# Altium PCB Main Board.PcbDoc (part 2 of 2)
Units mm, origin at the board's own origin, x right, y up, seen from the top; angles counter-clockwise.
Board outline 100 x 92.5 mm, 4 copper layers (Top Layer, L1, L2, Bottom Layer), stack 1.743 mm thick; 171 components, 145 nets, 710 pads, 579 vias.
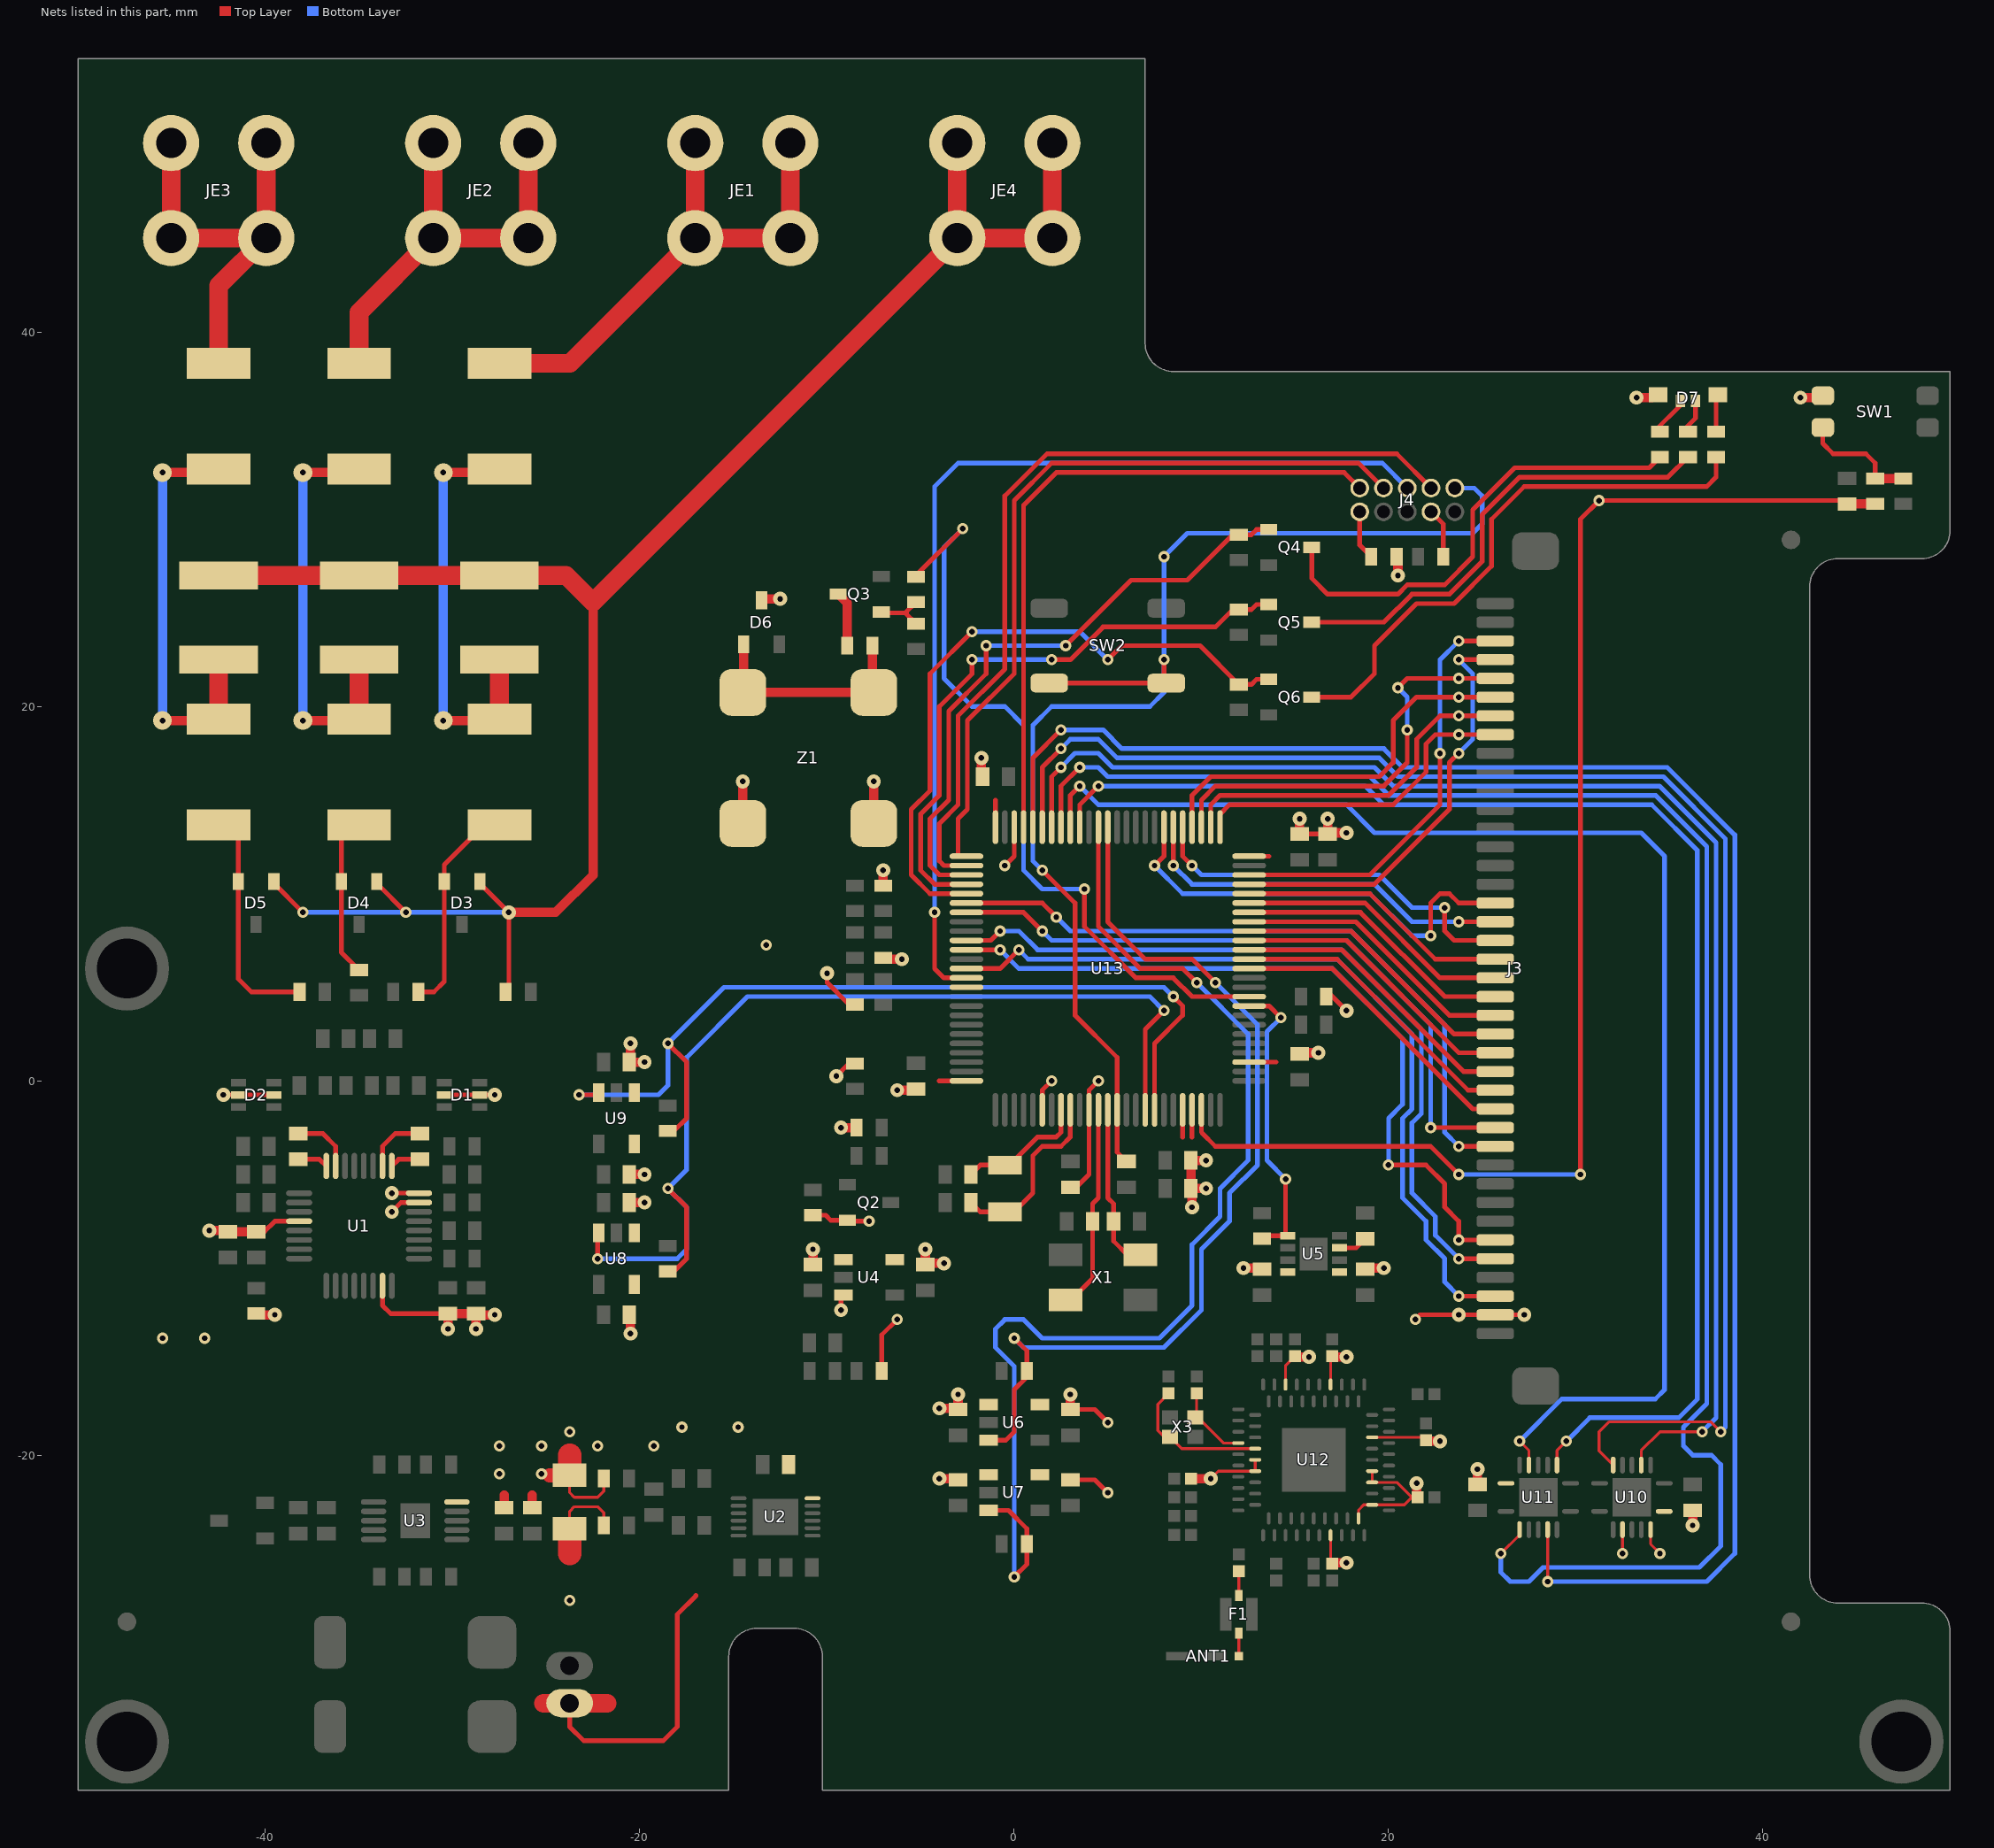
[diagram p4: the nets of this part, all layers, seen from the top]

## Via types
v1: diameter 0.6, hole 0.3, Top Layer to Bottom Layer, tented both sides, 297 vias
v2: diameter 0.75, hole 0.3, Top Layer to Bottom Layer, tented both sides, 136 vias
v3: diameter 0.6, hole 0.3, Top Layer to Bottom Layer, 58 vias
v4: diameter 0.6, hole 0.3, Top Layer to Bottom Layer, tented bottom, 48 vias
v5: diameter 0.6, hole 0.3, Top Layer to Bottom Layer, tented top, 29 vias
v6: diameter 1, hole 0.3, Top Layer to Bottom Layer, tented bottom, 6 vias
v7: diameter 1, hole 1, Top Layer to Bottom Layer, 2 vias
v8: diameter 0.75, hole 0.75, Top Layer to Bottom Layer, 2 vias
v9: diameter 0.75, hole 0.3, Top Layer to Bottom Layer, 1 vias

## Nets (pads, with @x,y where several pads share a name; then routed paths per layer and width w, separated by ;. In a path a pad name is that pad's centre, name@x,y a point inside that pad or via, vN(x,y) a via of type N, cw(c..) or ccw(c..) an arc to the next point about the centre after c; other vN are vias at no path point) (continued)
FSMC_D2: J3.30 U13.81 | length 37
  Top Layer w0.25: U13.81@-2.55,9.5 1.5,9.5 v5(2.25,8.75) ; v3(23.75,-3.5) J3.30@25.7,-3.5
  Bottom Layer w0.25: v5(2.25,8.75) 3,8 18,8 23,3 23,-2.75 v3(23.75,-3.5)
FSMC_D3: J3.29 U13.82 | length 36.2
  Top Layer w0.25: U13.82@-2.55,9 0.5,9 v5(1.5,8) ; v4(22.25,-2.5) J3.29@25.7,-2.5
  Bottom Layer w0.25: v5(1.5,8) 2,7.5 17.75,7.5 22.25,3 v4(22.25,-2.5)
FSMC_D4: J3.28 U13.38 | length 16.3
  Top Layer w0.25: U13.38@12.55,6 17,6 24.5,-1.5 J3.28@25.7,-1.5
FSMC_D5: J3.27 U13.39 | length 16
  Top Layer w0.25: U13.39@12.55,6.5 17.25,6.5 24.25,-0.5 J3.27@25.7,-0.5
FSMC_D6: J3.26 U13.40 | length 15.8
  Top Layer w0.25: U13.40@12.55,7 17.5,7 24,0.5 J3.26@25.7,0.5
FSMC_D7: J3.25 U13.41 | length 15.6
  Top Layer w0.25: U13.41@12.55,7.5 17.75,7.5 23.75,1.5 J3.25@25.7,1.5
FSMC_D8: J3.24 U13.42 | length 15.4
  Top Layer w0.25: U13.42@12.55,8 18,8 23.5,2.5 J3.24@25.7,2.5
FSMC_D9: J3.23 U13.43 | length 15.2
  Top Layer w0.25: U13.43@12.55,8.5 18.25,8.5 23.25,3.5 J3.23@25.7,3.5
FSMC_D10: J3.22 U13.44 | length 15
  Top Layer w0.25: U13.44@12.55,9 18.5,9 23,4.5 J3.22@25.7,4.5
FSMC_D11: J3.21 U13.45 | length 14.8
  Top Layer w0.25: U13.45@12.55,9.5 18.75,9.5 22.75,5.5 J3.21@25.7,5.5
FSMC_D12: J3.20 U13.46 | length 14.6
  Top Layer w0.25: U13.46@12.55,10 19,10 22.5,6.5 J3.20@25.7,6.5
FSMC_D13: J3.19 U13.55 | length 20.8
  Top Layer w0.25: U13.55@9,13.55 9,12 v5(9.5,11.5) ; v3(23,9.25) 23,8 23.5,7.5 J3.19@25.7,7.5
  Bottom Layer w0.25: v5(9.5,11.5) 10,11 19.5,11 21.25,9.25 v3(23,9.25)
FSMC_D14: J3.18 U13.56 | length 20.5
  Top Layer w0.25: v5(8.5,11.5) U13.56@8.5,13.55 ; v3(23.75,8.5) J3.18@25.7,8.5
  Bottom Layer w0.25: v5(8.5,11.5) 9.5,10.5 19.25,10.5 21.25,8.5 v3(23.75,8.5)
FSMC_D15: J3.17 U13.57 | length 24.2
  Top Layer w0.25: v5(7.5,11.5) 8,12 U13.57@8,13.55 ; v3(22.25,7.75) 22.25,9.5 22.75,10 23.25,10 23.75,9.5 J3.17@25.7,9.5
  Bottom Layer w0.25: v5(7.5,11.5) 9,10 19,10 21.25,7.75 v3(22.25,7.75)
FSMC_NE1: J3.38 U13.88 | length 43.5
  Top Layer w0.25: U13.88@-2.55,6 -0.75,6 v5(0.25,7) ; v3(23.75,-11.5) J3.38@25.7,-11.5
  Bottom Layer w0.25: v5(0.25,7) 0.75,6.5 17.25,6.5 21.25,2.5 21.25,-1.5 20.75,-2 20.75,-6.25 22,-7.5 22,-8.5 23,-9.5 23,-10.75 v3(23.75,-11.5)
FSMC_NOE: J3.36 U13.85 | length 42.1
  Top Layer w0.25: U13.85@-2.55,7.5 -1.25,7.5 v5(-0.75,8) ; v3(23.75,-9.5) J3.36@25.7,-9.5
  Bottom Layer w0.25: v5(-0.75,8) 0.25,8 1.25,7 17.5,7 21.75,2.75 21.75,-1.75 21.25,-2.25 21.25,-6 22.5,-7.25 22.5,-8.25 v3(23.75,-9.5)
FSMC_NWE: J3.35 U13.86 | length 41
  Top Layer w0.25: U13.86@-2.55,7 v5(-0.75,7) ; v1(20,-4.5) 22,-4.5 23,-5.5 23,-6.75 23.75,-7.5 v3(23.75,-8.5) J3.35@25.7,-8.5
  Bottom Layer w0.25: v5(-0.75,7) 0.25,6 17,6 20.75,2.25 20.75,-1.25 20,-2 v1(20,-4.5)
HCI_CTS: U11.5 U13.71 | length 95.9
  Top Layer w0.15: v3(28.5,-26.75) U11.5@28.5,-23.975
  Top Layer w0.25: U13.71@1,13.55 1,17.25 v3(2.5,18.75)
  Bottom Layer w0.25: v3(2.5,18.75) 4.75,18.75 5.75,17.75 19.75,17.75 20.75,16.75 34.889,16.75 38.5,13.139 38.5,-25.25 37,-26.75 v3(28.5,-26.75)
HCI_RTS: U10.6 U13.70 | length 83.3
  Top Layer w0.15: U10.6@32,-20.525 31.25,-19.775 31.25,-18.75 31.775,-18.225 37.225,-18.225 v3(37.75,-18.75)
  Top Layer w0.25: U13.70@1.5,13.55 1.5,16.75 v3(2.5,17.75)
  Bottom Layer w0.25: v3(2.5,17.75) 3,18.25 4.5,18.25 5.5,17.25 19.5,17.25 20.5,16.25 34.682,16.25 38,12.932 38,-18.5 v3(37.75,-18.75)
HCI_RX: U11.2 U13.68 | length 93.6
  Top Layer w0.15: v3(26,-25.25) 27,-24.25 U11.2@27,-23.975
  Top Layer w0.25: U13.68@2.5,13.55 2.5,15.75 v3(3.5,16.75)
  Bottom Layer w0.25: v3(3.5,16.75) 4.5,16.75 5,16.25 19,16.25 20,15.25 34.268,15.25 37,12.518 37,-17.25 35.75,-18.5 35.75,-19.5 36.25,-20 37.25,-20 37.75,-20.5 37.75,-24.853 36.603,-26 28.25,-26 27.5,-26.75 26.5,-26.75 26,-26.25 v3(26,-25.25)
HCI_TX: U10.3 U13.69 | length 76.9
  Top Layer w0.15: U10.3@33.5,-20.525 33.5,-19.75 34.5,-18.75 v3(36.75,-18.75)
  Top Layer w0.25: U13.69@2,13.55 2,16.25 v3(2.5,16.75)
  Bottom Layer w0.25: v3(2.5,16.75) 3.25,17.5 4.5,17.5 5.25,16.75 19.25,16.75 20.25,15.75 34.475,15.75 37.5,12.725 37.5,-18 v3(36.75,-18.75)
JTCK: J4.4 U13.76 | length 41.8
  Top Layer w0.25: U13.76@-2.55,12 -3,12 -3,14 -2.5,14.5 -2.5,19.25 0,21.75 0,31 2,33 18.4,33 J4.4@19.73,31.67
JTDI: J4.8 U13.77 | length 47
  Top Layer w0.25: U13.77@-2.55,11.5 -3.75,11.5 -4,11.75 -4,13.75 -3,14.75 -3,19.5 -0.5,22 -0.5,31.25 1.75,33.5 20.44,33.5 J4.8@22.27,31.67
JTDO: J4.6 U13.89 | length 54
  Top Layer w0.25: v3(-4.25,9) -4.25,6 -3.75,5.5 U13.89@-2.55,5.5
  Bottom Layer w0.25: v3(-4.25,9) -4.25,31.75 -3,33 19.67,33 J4.6@21,31.67
JTMS: J4.2 U13.72 | length 36.2
  Top Layer w0.25: U13.72@0.5,13.55 0.5,30.75 2.25,32.5 17.63,32.5 J4.2@18.46,31.67
LA: JE1.1 R1.1 | length 28.5
  Top Layer w1: R1.1@-27.5,38.325 -23.735,38.325 JE1.1@-17.04,45.02 ; JE1.1@-17.04,50.1 JE1.1@-17.04,45.02 ; JE1.1@-11.96,50.1 JE1.1@-11.96,45.02 JE1.1@-17.04,45.02
LL: JE3.1 R3.1 | length 23
  Top Layer w1: JE3.1@-45.04,50.1 JE3.1@-45.04,45.02 JE3.1@-39.96,45.02 ; R3.1@-42.5,38.325 -42.5,42.48 JE3.1@-39.96,45.02 ; JE3.1@-39.96,50.1 JE3.1@-39.96,45.02
NetANT1_1: ANT1.1 F1.2 | length 1.3
  Top Layer w0.15: ANT1.1@12,-30.75 F1.2@12,-29.5
NetC7_1: C7.1 U1.2 | length 3.3
  Top Layer w0.25: U1.2@-33.75,-4.55 -33.75,-3.5 -33.06,-2.81 C7.1@-31.75,-2.81
NetC7_2: C7.2 U1.1 | length 1.6
  Top Layer w0.25: U1.1@-33.25,-4.55 -32.89,-4.19 C7.2@-31.75,-4.19
NetC8_1: C8.1 U1.8 | length 1.6
  Top Layer w0.25: C8.1@-38.25,-4.19 -37.11,-4.19 U1.8@-36.75,-4.55
NetC8_2: C8.2 U1.7 | length 3.3
  Top Layer w0.25: C8.2@-38.25,-2.81 -36.94,-2.81 -36.25,-3.5 U1.7@-36.25,-4.55
NetC31_2: C31.2 U5.3 | length 1.6
  Top Layer w0.25: U5.3@17.39,-8.925 18.265,-8.925 C31.2@18.75,-8.44
NetC40_2: C40.2 F1.4 | length 1.3
  Top Layer w0.15: F1.4@12,-27.5 C40.2@12,-26.2
NetC43_2: C43.2 U12.A4 X3.1 | length 4.2
  Top Layer w0.15: C43.2@9.75,-16.7 9.75,-17.9 X3.1@9.675,-17.975 9.8,-17.975 11.175,-19.35 U12.A4@11.975,-19.35
NetC44_2: C44.2 U12.B4 X3.3 | length 7.8
  Top Layer w0.15: C44.2@8.25,-16.7 7.675,-17.275 7.675,-18.675 8.025,-19.025 X3.3@8.325,-19.025 8.95,-19.65 11.626,-19.65 12.324,-19.65 U12.B4@12.875,-19.65
NetD3_2: D3.2 R4.2 R7.1 | length 11.4
  Top Layer w0.25: R7.1@-31.825,4.75 -31,4.75 -30.45,5.3 D3.2@-30.45,10.65 -30.45,11.55 -28.325,13.675 R4.2@-28.325,14.175
NetD4_2: D4.2 R5.2 R8.1 | length 8.4
  Top Layer w0.25: R5.2@-35.95,13.95 D4.2@-35.95,10.65 -35.95,6.875 R8.1@-35,5.925
NetD5_2: D5.2 R6.2 R9.1 | length 12.1
  Top Layer w0.25: R6.2@-41.45,14 D5.2@-41.45,10.65 -41.45,5.45 -40.75,4.75 R9.1@-38.175,4.75
NetD6_1: D6.1 R38.1 Z1.2 | length 12.1
  Top Layer w0.5: Z1.2@-14.5,20.75 Z1.2@-7.5,20.75 -7.575,20.825 R38.1@-7.575,23.25 ; Z1.2@-14.45,20.8 D6.1@-14.45,23.325
NetD7_1: D7.1 R41.2 | length 2.1
  Top Layer w0.25: R41.2@34.25,34.75 35.6,36.1 D7.1@35.6,36.325
NetD7_2: D7.2 R42.1 | length 1.8
  Top Layer w0.25: R42.1@35.75,34.75 36.4,35.4 D7.2@36.4,36.325
NetD7_3: D7.3 R43.2 | length 2
  Top Layer w0.25: R43.2@37.5,34.675 37.5,36.55 D7.3@37.6,36.65
NetJ4_1: J4.1 R47.2 | length 2.7
  Top Layer w0.25: J4.1@18.46,30.4 18.46,28.615 R47.2@19.075,28
NetJ4_7: J4.7 R48.2 | length 2.7
  Top Layer w0.25: J4.7@22.27,30.4 22.925,29.745 R48.2@22.925,28
NetN1_2: N1.2 R1.2 R4.1 | length 21.8
  Top Layer w0.5: v6(-30.5,19.25) -27.575,19.25 R4.1@-27.5,19.325 ; v6(-30.5,32.5) -27.675,32.5 R1.2@-27.5,32.675
  Top Layer w1: R4.1@-27.5,19.325 -27.5,21.75
  Bottom Layer w0.5: v6(-30.5,19.25) v6(-30.5,32.5)
NetN2_2: N2.2 R2.2 R5.1 | length 21.8
  Top Layer w0.5: v6(-38,19.25) -35.075,19.25 R5.1@-35,19.325 ; v6(-38,32.5) -35.175,32.5 R2.2@-35,32.675
  Top Layer w1: R5.1@-35,19.325 -35,21.75
  Bottom Layer w0.5: v6(-38,19.25) v6(-38,32.5)
NetN3_2: N3.2 R3.2 R6.1 | length 21.5
  Top Layer w0.5: v6(-45.5,19.25) -42.575,19.25 R6.1@-42.5,19.325 ; v6(-45.5,32.5) R3.2@-42.675,32.5
  Top Layer w1: R6.1@-42.5,19.325 -42.5,21.75
  Bottom Layer w0.5: v6(-45.5,19.25) v6(-45.5,32.5)
NetQ3_1: Q3.1 R39.2 R40.1 | length 2.9
  Top Layer w0.25: Q3.1@-7.05,25 -5.75,25 ; R40.1@-5.25,24.425 -5.825,25 R39.2@-5.25,25.575
NetQ3_3: Q3.3 R38.2 | length 2.9
  Top Layer w0.5: Q3.3@-9.4,26 -8.925,25.525 R38.2@-8.925,23.25
NetQ4_3: Q4.3 R41.1 | length 25.1
  Top Layer w0.25: Q4.3@15.9,28.5 15.9,26.85 16.75,26 20.5,26 21,26.5 23,26.5 24.5,28 24.5,30.5 26.75,32.75 33.925,32.75 R41.1@34.5,33.325
NetQ5_3: Q5.3 R42.2 | length 25.2
  Top Layer w0.25: Q5.3@15.9,24.5 19.75,24.5 21.25,26 23.25,26 25,27.75 25,30.25 27,32.25 34.925,32.25 R42.2@36,33.325
NetQ6_3: Q6.3 R43.1 | length 29.9
  Top Layer w0.25: Q6.3@15.9,20.5 18,20.5 19.25,21.75 19.25,23.25 21.5,25.5 23.5,25.5 25.5,27.5 25.5,30 27.25,31.75 37,31.75 37.5,32.25 R43.1@37.5,33.325
NetR49_2: R49.2 R50.1 SW1.1 | length 6.4
  Top Layer w0.25: SW1.1@43.2,34.9 43.2,34.05 43.75,33.5 45.5,33.5 46,33 R50.1@46,32.175
  Top Layer w0.5: R50.1@46,32.175 R49.2@47.5,32.175
NJTRST: U13.90
NRST: C72.2 J4.10 SW2.3 SW2.4 U13.14 | length 68.8
  Top Layer w0.25: v5(1.5,11.25) 3.25,9.5 3.25,3.5 5.5,1.25 U13.14@5.5,-1.55 5.5,-3.81 C72.2@6,-4.31 ; SW2.3@1.875,21.25 SW2.4@8.125,21.25 8,21.375 v3(8,22.5)
  Bottom Layer w0.25: v5(1.5,11.25) 1,11.75 1,19 2,20 7.25,20 8,20.75 v3(8,22.5) v3(8,28) 9.25,29.25 24.5,29.25 25,29.75 25,31.25 24.58,31.67 J4.10@23.54,31.67
NSHUTD: U11.9 U13.66 | length 74.8
  Top Layer w0.15: U11.9@29,-20.525 29,-19.75 v3(29.5,-19.25)
  Top Layer w0.25: U13.66@3.5,13.55 3.5,14.75 v3(4.5,15.75)
  Bottom Layer w0.25: v3(4.5,15.75) 18.75,15.75 19.75,14.75 34.061,14.75 36.5,12.311 36.5,-17 35.5,-18 30.75,-18 v3(29.5,-19.25)
PACK+: C17.2 J1.1 R15.1 R16.1 U2.6 | length 23.4
  Top Layer w0.15: R15.1@-23.75,-23.925 -23.75,-23 -23.5,-22.75 -22.25,-22.75 -21.925,-23.075 R16.1@-21.925,-23.75
  Top Layer w0.25: J1.1@-23.75,-33.25 -23.75,-34.5 -23,-35.25 -18.75,-35.25 -18,-34.5 -18,-28.5 -17,-27.5
  Top Layer w1: -25.141,-33.25 J1.1@-23.75,-33.25 -21.75,-33.25
  Top Layer w1.25: -23.75,-25.25 R15.1@-23.75,-23.925
  other v4: -23.75,-27.75
RA: JE2.1 R2.1 | length 23.6
  Top Layer w1: R2.1@-35,38.325 -35,41.06 JE2.1@-31.04,45.02 ; JE2.1@-31.04,50.1 JE2.1@-31.04,45.02 ; JE2.1@-25.96,50.1 JE2.1@-25.96,45.02 JE2.1@-31.04,45.02
RL: D3.1 D4.1 D5.1 JE4.1 N1.1 N2.1 N3.1 R10.1 | length 105.8
  Top Layer w0.25: D5.1@-39.55,10.65 -39.55,10.55 v3(-38,9) ; D4.1@-34.05,10.65 -34.05,10.55 v3(-32.5,9) ; D3.1@-28.55,10.55 v9(-27,9) R10.1@-27,4.675
  Top Layer w0.5: v9(-27,9) -24.5,9 -22.5,11 -22.5,25.56
  Top Layer w1: N3.1@-42.5,27 N2.1@-35,27 N1.1@-27.5,27 -23.94,27 -22.5,25.56 JE4.1@-3.04,45.02 ; JE4.1@-3.48,44.52 JE4.1@-3.04,44.52 ; JE4.1@-3.04,50.1 JE4.1@-3.04,45.02 ; JE4.1@2.04,50.1 JE4.1@2.04,45.02 JE4.1@-3.04,45.02
  Bottom Layer w0.25: v3(-38,9) v3(-32.5,9) v9(-27,9)
SLOW_CLK: U11.12 U13.67 | length 74.1
  Top Layer w0.15: v3(27,-19.25) 27.5,-19.75 U11.12@27.5,-20.525
  Top Layer w0.25: U13.67@3,13.55 3,15.25 v3(3.5,15.75)
  Bottom Layer w0.25: v3(3.5,15.75) 4.5,14.75 17.75,14.75 19.25,13.25 33.5,13.25 34.75,12 34.75,-16.5 34.25,-17 29.25,-17 v3(27,-19.25)
TP_BUSY: J3.4 U13.47 | length 23.1
  Top Layer w0.25: U13.47@12.55,10.5 19.25,10.5 23.25,14.5 23.25,17 v3(23.75,17.5) ; v3(23.75,22.5) J3.4@25.7,22.5
  Bottom Layer w0.25: v3(23.75,17.5) 24.5,18.25 24.5,21.75 v3(23.75,22.5)
TP_CS: J3.8 U13.51 | length 18
  Top Layer w0.25: U13.51@11,13.55 11,14.25 11.5,14.75 20.25,14.75 22,16.5 22,18 22.5,18.5 v3(23.75,18.5) J3.8@25.7,18.5
TP_MISO: J3.5 U13.53 | length 22.9
  Top Layer w0.25: U13.53@10,13.55 10,15 10.75,15.75 19.75,15.75 21,17 v5(21,18.75) ; v5(20.5,21) 21,21.5 v3(23.75,21.5) J3.5@25.7,21.5
  Bottom Layer w0.25: v5(20.5,21) 21,20.5 v5(21,18.75)
TP_MOSI: J3.6 U13.54 | length 21.4
  Top Layer w0.25: U13.54@9.5,13.55 9.5,15.25 10.5,16.25 19.5,16.25 20.25,17 20.25,19.25 21.5,20.5 v3(23.75,20.5) J3.6@25.7,20.5
TP_PEN: J3.3 U13.48 | length 22.9
  Top Layer w0.25: U13.48@12.55,11 19,11 22.75,14.75 v3(22.75,17.5) ; v3(23.75,23.5) J3.3@25.7,23.5
  Bottom Layer w0.25: v3(22.75,17.5) 22.75,22.5 v3(23.75,23.5)
TP_SCLK: J3.7 U13.52 | length 19.2
  Top Layer w0.25: U13.52@10.5,13.55 10.5,14.75 11,15.25 20,15.25 21.5,16.75 21.5,18.25 22.75,19.5 v3(23.75,19.5) J3.7@25.7,19.5
UI_BUZZER: R39.1 U13.35 | length 41.1
  Top Layer w0.25: R39.1@-5.25,27 v3(-2.75,29.5) v3@-2.75,29.425 ; v5(3.75,10.25) 3.75,8.25 6.5,5.5 8.5,5.5 9.5,4.5 U13.35@12.55,4.5
  Bottom Layer w0.25: v3(-2.75,29.5) -3.75,28.5 -3.75,21.5 -2.25,20 -0.5,20 0.5,19 0.5,11.25 1.5,10.25 v5(3.75,10.25)
UI_LED_B: Q6.1 R46.1 U13.80 | length 35.5
  Top Layer w0.25: U13.80@-2.55,10 -4.5,10 -5.5,11 -5.5,14.5 -4.5,15.5 -4.5,21.75 v3(-2.25,24) ; v5(5,22.5) 5.75,23.25 9.925,23.25 R46.1@12,21.175 12.675,21.175 12.95,21.45 Q6.1@13.6,21.45
  Bottom Layer w0.25: v3(-2.25,24) 3.5,24 v5(5,22.5)
UI_LED_G: Q5.1 R45.1 U13.79 | length 32.2
  Top Layer w0.25: U13.79@-2.55,10.5 -4.25,10.5 -5,11.25 -5,14.25 -4,15.25 -4,20 -2.25,21.75 v3(-2.25,22.5) ; v5(2,22.5) 3,22.5 4.75,24.25 10.75,24.25 11.675,25.175 R45.1@12,25.175 12.675,25.175 12.95,25.45 Q5.1@13.6,25.45
  Bottom Layer w0.25: v3(-2.25,22.5) v5(2,22.5)
UI_LED_R: Q4.1 R44.1 U13.78 | length 32.8
  Top Layer w0.25: U13.78@-2.55,11 -4,11 -4.5,11.5 -4.5,14 -3.5,15 -3.5,19.75 -1.5,21.75 v3(-1.5,23.25) ; v5(2.75,23.25) 6.25,26.75 9.25,26.75 11.675,29.175 R44.1@12,29.175 12.675,29.175 12.95,29.45 Q4.1@13.6,29.45
  Bottom Layer w0.25: v3(-1.5,23.25) v5(2.75,23.25)
VDD_AFE_A: C9.2 C10.2 C39.2 D1.2 D1.5 D2.2 D2.5 U1.12 U1.31 U1.32 U9.5 | length 14.4
  Top Layer w0.25: v2(-42.25,-0.75) D2.5@-41.45,-0.75 D2.2@-39.55,-0.75 ; C10.2@-40.75,-8.06 C10.2@-40.5,-8.06 -40.06,-8.06 -39.5,-7.5 U1.12@-38.2,-7.5 ; v2(-33.25,-7) -32.75,-6.5 U1.31@-31.8,-6.5 ; v2(-33.25,-6) U1.32@-31.8,-6 ; D1.2@-30.45,-0.75 D1.5@-28.55,-0.75 v2(-27.75,-0.75)
  Top Layer w0.5: v2(-43,-8) -42.06,-8 C9.2@-42,-8.06 C10.2@-40.75,-8.06 ; C39.2@-20.56,-5 v2(-19.75,-5)
  other v4: -45.5,-13.75
VDD_AFE_A_EN: R37.1 U9.3 U13.18 | length 49.3
  Top Layer w0.25: v4(-23.25,-0.75) -22.325,-0.75 U9.3@-22.2,-0.625 ; R37.1@-18.5,-2.675 -18.175,-2.675 -17.5,-2 -17.5,1 v4(-18.5,2) ; U13.18@7.5,-1.55 7.5,2 9,3.5 9,4 v5(8.5,4.5)
  Bottom Layer w0.25: v4(-23.25,-0.75) -19,-0.75 -18.5,-0.25 v4(-18.5,2) -15.5,5 8,5 v5(8.5,4.5)
VDD_AFE_D: C11.2 C12.2 C37.2 R13.1 U1.23 U8.5 | length 10.9
  Top Layer w0.25: U1.23@-33.75,-10.95 -33.75,-12 -33.31,-12.44 C12.2@-30.25,-12.44
  Top Layer w0.5: R13.1@-40.5,-12.425 -40.425,-12.5 v2(-39.5,-12.5) ; v2(-30.25,-13.25) C12.2@-30.25,-12.44 C11.2@-28.75,-12.44 ; v2(-28.75,-13.25) C11.2@-28.75,-12.44 ; v2(-27.75,-12.5) -28.69,-12.5 C11.2@-28.75,-12.44 ; C37.2@-20.56,-12.5 -20.5,-12.56 v2(-20.5,-13.5)
  other v4: -43.25,-13.75
VDD_AFE_D_EN: R36.1 U8.3 U13.17 | length 55.8
  Top Layer w0.25: v1(-22.25,-9.5) -22.25,-8.075 U8.3@-22.2,-8.125 ; R36.1@-18.5,-10.175 -18.175,-10.175 -17.5,-9.5 -17.5,-6.75 v4(-18.5,-5.75) ; U13.17@7,-1.55 7,2.75 v5(8,3.75)
  Bottom Layer w0.25: v1(-22.25,-9.5) -18,-9.5 -17.5,-9 -17.5,-6.75 v4(-18.5,-5.75) -17.5,-4.75 -17.5,1.25 -14.25,4.5 7.25,4.5 v5(8,3.75)
VDD_MCU: C28.2 C41.2 C60.2 C61.2 C62.2 C63.2 C64.2 C65.2 C66.2 C67.2 D6.3 D7.4 Q2.2 R18.1 R19.1 R20.1 R28.1 R30.1 R31.1 R47.1 R51.2 R53.2 SW1.2 U4.5 U10.10 U10.13 U10.14 U13.6 U13.11 U13.21 U13.22 U13.28 U13.50 U13.73 U13.75 U13.100 Z1.1 | length 58.9
  Top Layer w0.15: v1(32.5,-25.25) U10.10@32.5,-23.975 ; U10.13@34,-23.975 34,-24.75 v1(34.5,-25.25)
  Top Layer w0.25: R28.1@-10.75,-7.175 -10.075,-7.175 -9.8,-7.45 Q2.2@-8.9,-7.45 -8.85,-7.5 v4(-7.75,-7.5) ; v2(-10,5.75) -10,5.25 -8.825,4.075 R53.2@-8.5,4.075 ; v2(-9.5,0.25) -8.825,0.925 R18.1@-8.5,0.925 ; R30.1@-7.075,-15.5 -7.075,-13.575 v1(-6.25,-12.75) ; -4,0 -3.625,0 U13.100@-2.55,0 ; U13.75@-1,13.55 -1,14.625 -1,15 ; v5(-0.5,11.5) 0,12 U13.73@0,13.55 ; U13.6@1.5,-1.55 1.5,-0.5 v1(2,0) ; C65.2@3,-5.69 3.31,-5.69 4,-5 U13.11@4,-1.55 4,-0.5 v1(4.5,0) ; 9,-3 U13.21@9,-1.55 ; 9.5,-3 U13.22@9.5,-1.55 ; U13.28@12.55,1 13.625,1 14,1 ; U13.50@12.55,12 13.625,12 ; C60.2@15.25,13.19 C61.2@16.75,13.19 ; R51.2@16.675,4.5 16.838,4.663 v2(17.75,3.75)
  Top Layer w0.5: Z1.1@-14.5,13.75 v2(-14.5,16) ; D6.3@-13.5,25.675 -13.425,25.75 v2(-12.5,25.75) ; v2(-9.25,-2.5) R31.1@-8.425,-2.5 ; R53.2@-8.5,4.075 R53.2@-8.425,4 ; Z1.1@-7.5,13.75 v2(-7.5,16) ; R19.1@-7,6.575 -6.925,6.5 v2(-6,6.5) ; R20.1@-7,10.425 v2(-7,11.25) ; v2(-6.25,-0.5) -5.31,-0.5 C63.2@-5.25,-0.44 ; v2(-4.75,-9) C28.2@-4.75,-9.81 -4.69,-9.75 v2(-3.75,-9.75) ; C62.2@-1.75,16.31 v2(-1.75,17.25) ; v2(9.5,-6.75) 9.5,-5.81 C66.2@9.44,-5.75 ; v2(10.25,-5.75) C66.2@9.44,-5.75 ; v2(10.25,-4.25) C67.2@9.44,-4.25 C66.2@9.44,-5.75 ; C64.2@15.25,1.44 15.31,1.5 v2(16.25,1.5) ; C60.2@15.25,13.19 v2(15.25,14) ; v2(16.75,14) C61.2@16.75,13.19 16.81,13.25 v2(17.75,13.25) ; R47.1@20.425,28 20.5,27.925 v2(20.5,27) ; v2(33.25,36.5) 34.05,36.5 34.3,36.75 D7.4@34.4,36.65 ; v2(36.25,-23.75) C41.2@36.25,-22.94 ; v2(42,36.5) 43.1,36.5 SW1.2@43.2,36.6
  other v3: -13.25,7.25
VDD_RF_IO: C35.2 C42.2 C51.2 C52.2 C53.2 C54.2 C55.2 U7.5 U11.14 U12.A17 U12.A34 U12.A38 U12.B18 U12.B19 U12.B21 U12.B22 U12.B25 | length 21.2
  Top Layer w0.15: U12.A38@14.5,-16.225 14.5,-15.2 C53.2@15,-14.7 ; C51.2@16.9,-25.7 U12.A17@16.9,-24.275 ; U12.A34@16.9,-16.225 16.9,-14.8 C52.2@16.95,-14.75 ; U12.B18@18.4,-23.375 18.4,-22.921 18.671,-22.65 U12.B19@19.125,-22.65 20.85,-22.65 C54.2@21.25,-22.25 ; U12.B22@19.125,-20.85 U12.B21@19.125,-21.45 20.45,-21.45 C54.2@21.25,-22.25 ; U12.B25@19.125,-19.05 21.85,-19.05 C55.2@22,-19.2 ; C54.2@21.4,-22.1 C54.2@21.25,-22.25
  Top Layer w0.25: C35.2@3,-21.31 4.31,-21.31 v3(5,-22)
  Top Layer w0.5: C53.2@15.05,-14.75 v2(15.75,-14.75) ; C52.2@16.95,-14.75 C52.2@17,-14.7 17.05,-14.75 v2(17.75,-14.75) ; C51.2@17,-25.8 17.05,-25.75 v2(17.75,-25.75) ; C54.2@21.5,-22.2 v2(21.5,-21.5) ; C55.2@22.05,-19.25 v2(22.75,-19.25) ; C42.2@24.75,-21.56 v2(24.75,-20.75)
VDD_RF_IO_EN: R35.1 U7.3 U13.64 | length 62.2
  Top Layer w0.25: U7.3@-1.375,-22.95 -0.3,-22.95 0.675,-23.925 R35.1@0.675,-24.75 0.675,-25.825 v3(0,-26.5) ; U13.64@4.5,13.55 4.5,8.25 6.75,6 9,6 v5(9.75,5.25)
  Bottom Layer w0.25: v3(0,-26.5) 0,-15.25 -1,-14.25 -1,-13.25 -0.5,-12.75 0.5,-12.75 1.5,-13.75 7.75,-13.75 9.5,-12 9.5,-8.75 11,-7.25 11,-5.75 12.5,-4.25 12.5,2.5 v5(9.75,5.25)
VDD_RF_PW: C33.2 C45.2 U6.5 U12.B5 U12.B6 | length 7.3
  Top Layer w0.15: v2(10.5,-21.25) 10.9,-20.85 U12.B6@12.875,-20.85 U12.B5@12.875,-20.25
  Top Layer w0.25: C33.2@3,-17.56 4.31,-17.56 v3(5,-18.25)
  Top Layer w0.5: C33.2@3,-17.56 v2(3,-16.75) ; C45.2@9.45,-21.25 v2(10.5,-21.25)